# Altium PCB PCB_Kasli.PCBDOC (part 3 of 14) (continued)
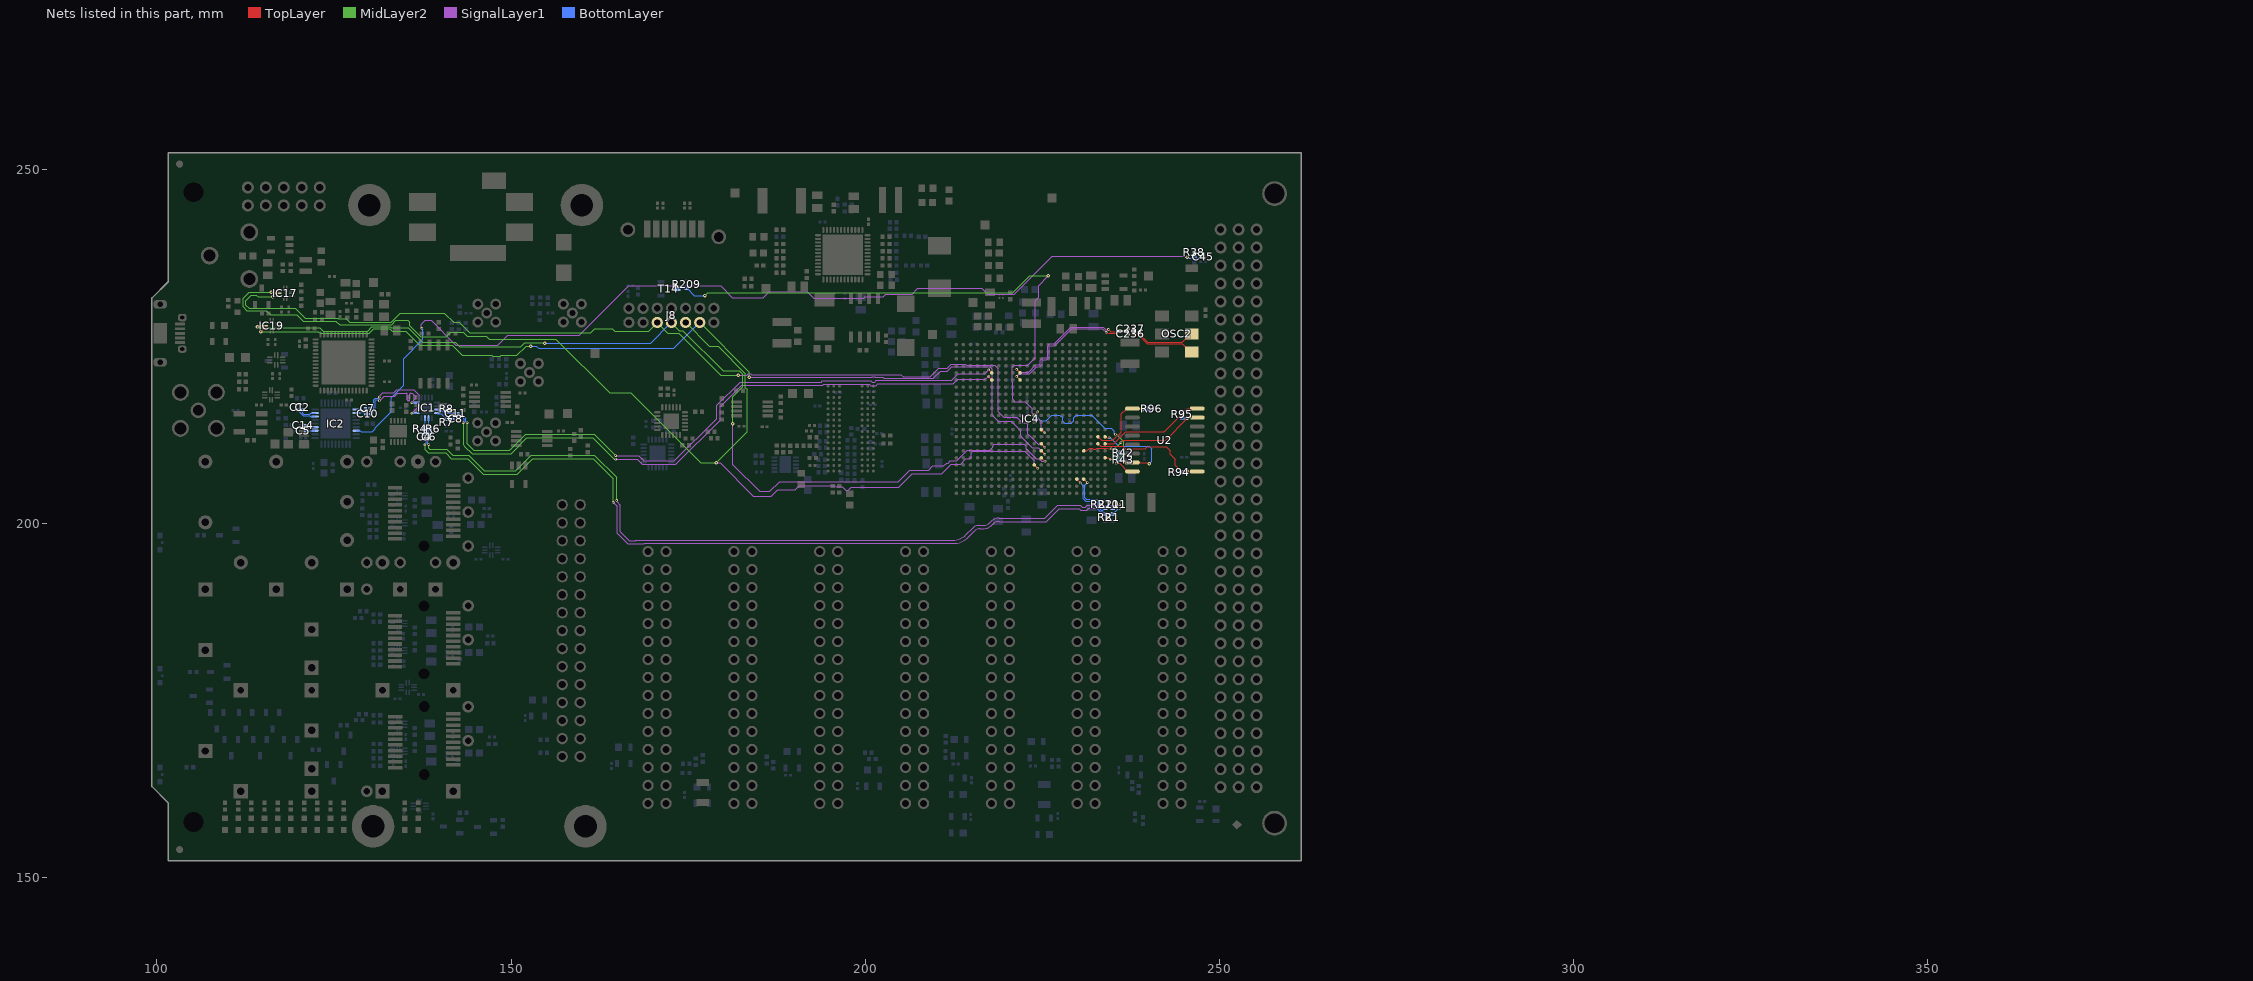
[diagram p7: the nets of this part, all layers, seen from the top]
## Part data (continued)
C230: library part CC0402_2.2NF_50V_10%_X7R, "Non-polarised capacitor", Case=0402, Manufacturer=GENERIC, Manufacturer1 ComponentHeight=0.55mm, Manufacturer1 Example=PHYCOMP, Manufacturer1 Part Number=223858715627, Tolerance=±10%, Voltage=50V, Author="CERN DEM JLC", Component Type=Standard, CreateDate=03.12.2007, HelpURL=\\cern.ch\dfs\Applications\Altium\Datasheets\CC0402_X7R_PHYCOMP.pdf, LatestRevisionDate=03.12.2007, Manufacturer Part Number=CC0402_2.2NF_50V_10%_X7R, Mounted=Yes, Part Description="SMD Multilayer Chip Ceramic Capacitor", Part Number=CC0402_2.2NF_50V_10%_X7R, Pin Count=2, Sense=No, SMD=Yes, Socket=No, Status="Not Recommended", TC=X7R
Cage1: library part TYCO_2007263-1, "SFP 1x2 Cage (25Pins)", Manufacturer="TYCO ELECTRONICS", Manufacturer Part Number=2007263-1, Author="CERN DEM JLC", ClassName=Connectors, ComponentHeight=9.7mm, Component Type=Standard, CreateDate=18.01.2017, Family=SFP+, HelpURL=\\cern.ch\dfs\Applications\Altium\Datasheets\TYCO_2007263-1.pdf, LatestRevisionDate=18.01.2017, Mounted=Yes, Part Description="1x2 Press Fit SFP+ Cage with EMI Springs", Part Number=TYCO_2007263-1, Pin Count=25, PressFit=Yes, Sense=No, SMD=No, Socket=No, Status=None
Cage2: library part TYCO_2007198-1, "SFP+ 1x1 Cage (20Pins)", Manufacturer="TYCO ELECTRONICS", Manufacturer Part Number=2007198-1, Author="CERN DEM JLC", ClassName=Connectors, ComponentHeight=9.7mm, Component Type=Standard, CreateDate=04.06.2013, Family=SFP+, HelpURL=\\cern.ch\dfs\Applications\Altium\Datasheets\TYCO_2007198-1.pdf, LatestRevisionDate=12.06.2013, Mounted=Yes, Part Description="1x1 Press Fit Cage For Use with SFP+ Connector (Small Form-factor Pluggable)", Part Number=TYCO_2007198-1, Pin Count=20, PressFit=Yes, Sense=No, SMD=No, Socket=No, Status=None
D1: "Zener Diode", Case=DO-214AA, Manufacturer="FAIRCHILD SEMICONDUCTOR", Power=600W, Voltage=12V, Author="CERN DEM JLC", Bonding=No, ComponentHeight=2.65mm, Component Type=Standard, CreateDate=10.04.2013, Device=SMBJ12A, HelpURL=\\cern.ch\dfs\Applications\Altium\Datasheets\SMBJ.pdf, LatestRevisionDate=10.04.2013, Manufacturer Part Number=SMBJ12A, Mounted=Yes, PackageDescription="DO-214-AA/SMB Diode, Molded Body; 5.34mm L X 3.625mm W X 2.65mm H, IPC Medium Density", Part Description="Uni-Directional Transient Voltage Suppressor Diode", Part Number=SMBJ12A, Pin Count=2, PressFit=No, Sense=No, SMD=Yes, Socket=No
D2 D3 D4 D5 D6 D7 D8 D9 D10 D11 D12 D13 D14: "Ultra Low Capacitance Double Rail-to-Rail ESD Protection Diode", Case=SOT143B, Manufacturer="NXP SEMICONDUCTORS", Voltage=5.5V, Author="CERN DEM JLC", Bonding=No, ComponentHeight=1.1mm, Component Type=Standard, CreateDate=22.03.2011, Device=PRTR5V0U2X, HelpURL=\\cern.ch\dfs\Applications\Altium\Datasheets\PRTR5V0U2X.pdf, LatestRevisionDate=22.03.2011, Manufacturer Part Number=PRTR5V0U2X, Mounted=Yes, PackageDescription="SOT143B, SOT, 1.90mm Pitch; 4 Pin, 1.30mm W X 2.90mm L X 1.10mm H body, IPC Medium Density", Part Description="Ultra Low Capacitance (1pF) Double Rail-to-Rail ESD Protection Diode (8kV)", Part Number=PRTR5V0U2X, Pin Count=4, PressFit=No, Sense=No, SMD=Yes, Socket=No
F1 F2 F3: library part FUSR_LITTELFUSE_1206L012, "Fuse", Manufacturer=LITTELFUSE, Manufacturer Part Number=1206L012WR, Author="CERN DEM JLC", ComponentHeight=1.45mm, Component Type=Standard, CreateDate=19.12.2011, Family="Fuses Resettable", HelpURL=\\cern.ch\dfs\Applications\Altium\Datasheets\FUSR_LITTELFUSE_1206L012.pdf, LatestRevisionDate=19.12.2011, Mounted=Yes, PackageDescription="Surface Mount POLY-FUSE® Resettable PTC, 1206L Series", Part Description="POLYFUSE® Surface Mount Resettable PTC", Part Number=FUSR_LITTELFUSE_1206L012, Pin Count=2, PressFit=No, Sense=No, SMD=Yes, Socket=No
FL1: library part FIL_MURATA_BNX022-01L, "Block Type EMIFIL (LC Combined)", Manufacturer=MURATA, Manufacturer Part Number=BNX022-01L, Resistance=0.5R, Author="CERN DEM JLC", ComponentHeight=3.3mm, Component Type=Standard, CreateDate=10.10.2012, HelpURL=\\cern.ch\dfs\Applications\Altium\Datasheets\FIL_MURATA_BNX022-01L.pdf, LatestRevisionDate=10.10.2012, Mounted=Yes, Part Description="Block Type EMIFIL (LC Combined) SMD Type, BNX02* Series", Part Number=FIL_MURATA_BNX022-01L, Pin Count=2, Sense=No, SMD=Yes, Socket=No, Status=None
FTG1 FTG3 FTG4 FTG5: library part FIDUCIAL_TARGET_C100-200, "Fiducial Target", Author="CERN DEM JLC", ComponentHeight=0mm, Component Type="Standard (No BOM)", CreateDate=09.02.2010, Family=Fiducial, HelpURL=Undefined, LatestRevisionDate=04.04.2012, Mounted=No, PackageDescription="Round Fiducial Target, Top Layer, 1.0mm, Top Solder 2.0mm, Keepout =2.0mm", Part Description="Round Fiducial Target, Top Layer, 1.0mm, Top Solder 2.0mm, Keepout =2.0mm", Part Number=FIDUCIAL_TARGET_C100-200, Pin Count=1, Sense=No, SMD=Yes, Socket=No, Status=None
FTG2 FTG6: library part FIDUCIAL_TARGET_S100-200, "Fiducial Target", Author="CERN DEM JLC", ComponentHeight=0mm, Component Type="Standard (No BOM)", CreateDate=09.02.2010, Family=Fiducial, HelpURL=Undefined, LatestRevisionDate=04.04.2012, Mounted=No, PackageDescription="Square Fiducial Target, Top Layer, 1.0mm, Top Solder 2.0mm, Keepout =2.0mm", Part Description="Square Fiducial Target, Top Layer, 1.0mm, Top Solder 2.0mm, Keepout =2.0mm", Part Number=FIDUCIAL_TARGET_S100-200, Pin Count=1, Sense=No, SMD=Yes, Socket=No, Status=None
HS1: "Heat Sink Without Pad", Manufacturer="Fischer Elektronik", Manufacturer Part Number="ICK BGA 23 x 23 x 10", ComponentHeight="10 mm", HelpURL=http://www.fischerelektronik.de/web_fischer/en_GB/heatsinks/B02/Heatsinks%20for%20BGAs/PR/ICKBGA23x23x10_/$productCard/parameters/datasheet.xhtml, Part Description="23 x 23 x 10 mm, heatsink for IC design BGA and others"
IC1: "2.5V/3.3V, Four LVPECL Outputs, SiGe Clock Fanout Buffer", Case=QFN16, Manufacturer="ANALOG DEVICES", Author="CERN DEM JLC", Bonding=No, ComponentHeight=0.8mm, Component Type=Standard, CreateDate=17.07.2014, Device=ADCLK944BCPZ, HelpURL=\\cern.ch\dfs\Applications\Altium\Datasheets\ADCLK944BCPZ.pdf, LatestRevisionDate=17.07.2014, Manufacturer Part Number=ADCLK944BCPZ, Mounted=Yes, PackageDescription="QFN, 0.50mm Pitch, Square; 4 Pin X 4 Pin, 3mm X 3mm X 0.80mm H Body (w/Thermal tab 1.60 X 1.60mm),  IPC Medium Density", Part Description="2.5V/3.3V, Four LVPECL Outputs, SiGe Clock Fanout Buffer", Part Number=ADCLK944BCPZ, Pin Count=17, PressFit=No, Sense=No, SMD=Yes, Socket=No
IC2: "Any Frequency Precision Clock Multiplier/Jitter Attenuator", Case=QFN36, Manufacturer="SILICON LABS", Author="CERN DEM JLC", Bonding=No, ComponentHeight=0.9mm, Component Type=Standard, CreateDate=19.08.2013, Device=Si5324C-C-GM, HelpURL=\\cern.ch\dfs\Applications\Altium\Datasheets\Si5324C-C-GM.pdf, LatestRevisionDate=19.08.2013, Manufacturer Part Number=Si5324C-C-GM, Mounted=Yes, PackageDescription="QFN, 0.50mm Pitch, Square; 36 Pin, 6.00mm L X 6.00mm W X 0.90mm H Body (w/thermal tab 4.25m x 4.25mm), IPC Medium Density", Part Description="Any Frequency Precision Clock Multiplier/Jitter Attenuator", Part Number=Si5324C-C-GM, Pin Count=37, PressFit=No, Sense=No, SMD=Yes, Socket=No
IC3: "20V, 500mA, Ultralow Noise, Ultrahigh PSRR Linear Regulator", Case=SON10, Manufacturer="LINEAR TECHNOLOGY", Author="CERN DEM JLC", Bonding=No, ComponentHeight=0.8mm, Component Type=Standard, CreateDate=07.12.2016, Device=LT3045EDD#PBF, HelpURL=\\cern.ch\dfs\Applications\Altium\Datasheets\LT3045EDD#PBF.pdf, LatestRevisionDate=07.12.2016, Manufacturer Part Number=LT3045EDD#PBF, Mounted=Yes, PackageDescription="SON, 0.50mm Pitch, 10-pin, 3.00mm W  X 3.00mm L X 0.80mm Height, (w/thermal tab 1.75 X 2.48 mm), IPC Medium Density", Part Description="20V, 500mA, Ultralow Noise, Ultrahigh PSRR Linear Regulator", Part Number=LT3045EDD#PBF, Pin Count=11, PressFit=No, Sense=No, SMD=Yes, Socket=No
IC4: library part CMP-0364-00026-3, "Artix-7 FPGA, 285 User I/Os, 4 GTP, 484-Ball BGA, Speed Grade 2, Commercial Grade, Pb-Free", Generic Part Number=XC7A100T, Manufacturer=Xilinx, Block RAM Blocks (18Kb)=270, Block RAM Blocks (36Kb)=135, Block RAM Blocks (Max Kb)=4860, ClassName=Artix, CLBs (Max Distributed RAM Kb)=1188, CLBs (Slices)=15850, Clock Mgmt Tiles (CMTs)=6, Code_JEDEC=MS-034-AAJ-1, ComponentLink1Description=Datasheet, ComponentLink1URL=http://www.xilinx.com/support/documentation/data_sheets/ds180_7Series_Overview.pdf, ComponentLink2Description="Package Specification", ComponentLink2URL=http://www.xilinx.com/support/documentation/user_guides/ug475_7Series_Pkg_Pinout.pdf, ComponentLink3Description="DC and Switching Characteristics", ComponentLink3URL=http://www.xilinx.com/support/documentation/data_sheets/ds181_Artix_7_Data_Sheet.pdf, ComponentLink4Description="Package File", ComponentLink4URL=http://www.xilinx.com/support/packagefiles/a7packages/xc7a100tfgg484pkg.txt, ComponentLink5Description="Packaging and Pinout", ComponentLink5URL=http://www.xilinx.com/support/documentation/user_guides/ug475_7Series_Pkg_Pinout.pdf, DatasheetVersion=v1.12, DSP48E1 Slices=240, Logic Cells=101440, Max User I/O=300, Mounting Technology="Surface Mount", NexusDeviceID=XC7A100T-2FGG484C, PackageDescription="Wire-Bond Fine-Pitch BGA, Body 23 x 23 mm, 1.0 mm Pitch", PackageReference=FGG484, PackageVersion="Rev 1.8", PartNumber=XC7A100T-2FGG484C, RoHS=Pb-Free, Speed Grade=-2
IC5: "1.7V-5.5V, 2K I2C Serial EEPROM With EUI-48 Node Identity", Case=SOT23-5, Manufacturer="MICROCHIP TECHNOLOGY", Author="CERN DEM MR", Bonding=No, ComponentHeight=1.45mm, Component Type=Standard, CreateDate=2016-03-31, Device=24AA02E48T-I/OT, HelpURL=\\cern.ch\dfs\Applications\Altium\Datasheets\24AA02E48T-I-OT.pdf, LatestRevisionDate=2016-03-31, Manufacturer Part Number=24AA02E48T-I/OT, Mounted=Yes, PackageDescription="SOT, 0.95mm pitch; 5 pin, 1.60mm W X 2.90mm L X 1.45mm H body, IPC Medium Density", Part Description="1.7V-5.5V, 2K I2C Serial EEPROM With EUI-48 Node Identity", Part Number=24AA02E48T-I/OT, Pin Count=5, PressFit=No, Sense=No, SMD=Yes, Socket=No
IC6: "5-Channel Integrated Power Solution with Quad buck Regulators and 200mA LDO Regulator", Case=QFN48, Manufacturer="ANALOG DEVICES", Author="CERN DEM BC", Bonding=No, ComponentHeight=0.8mm, Component Type=Standard, CreateDate=2015-07-30, Device=ADP5052ACPZ, HelpURL=\\cern.ch\dfs\Applications\Altium\Datasheets\ADP5052ACPZ.pdf, LatestRevisionDate=2015-07-30, Manufacturer Part Number=ADP5052ACPZ, Mounted=Yes, PackageDescription="QFN, 0.50mm pitch,square; 12 pin X 12 pin, 7mm X 7mm X 0.8mm H body (w/thermal tab 5.70 X 5.70mm),  IPC Medium Density", Part Description="5-Channel Integrated Power Solution with Quad buck Regulators and 200mA LDO Regulator", Part Number=ADP5052ACPZ, Pin Count=49, PressFit=No, Sense=No, SMD=Yes, Socket=No
IC7 IC13 IC22: "Level-Translating I2C Bus Repeater", Case=TSSOP8, Manufacturer="TEXAS INSTRUMENTS", Author="CERN DEM JLC", Bonding=No, ComponentHeight=1.1mm, Component Type=Standard, CreateDate=07.07.2014, Device=TCA9517DGKR, HelpURL=\\cern.ch\dfs\Applications\Altium\Datasheets\TCA9517DGKR.pdf, LatestRevisionDate=07.07.2014, Manufacturer Part Number=TCA9517DGKR, Mounted=Yes, PackageDescription="SOP, 0.65mm, Pitch; 8 Pin, 3.0mm W X 3.0mm L X 1.10mm H Body, IPC Medium Density", Part Description="Level-Translating I2C Bus Repeater", Part Number=TCA9517DGKR, Pin Count=8, PressFit=No, Sense=No, SMD=Yes, Socket=No
IC8: "32 Meg x 16 x 8 Banks DDR3L SDRAM", Case=BGA96, Manufacturer="MICRON TECHNOLOGY", Author="CERN DEM MR", Bonding=No, ComponentHeight=1.2mm, Component Type=Standard, CreateDate=2015-12-14, Device=MT41K256M16TW-107:P, HelpURL=\\cern.ch\dfs\Applications\Altium\Datasheets\MT41K256M16TW-107-P.pdf, LatestRevisionDate=2015-12-14, Manufacturer Part Number=MT41K256M16TW-107:P, Mounted=Yes, PackageDescription="BGA 0.8mm, Pitch, Square 96 Pin, 9 Columns x 16 Rows, Body 14mm X 8mm X 1.2mm H", Part Description="+1.5V, 4Gb (32Meg x 16 x 8 banks) DDR3L SDRAM", Part Number=MT41K256M16TW-107:P, Pin Count=96, PressFit=No, Sense=No, SMD=Yes, Socket=No
IC9: "Sink/Source DDR Termination Regulator", Case=SON10, Manufacturer="TEXAS INSTRUMENTS", Author="CERN DEM JLC", Bonding=No, ComponentHeight=1mm, Component Type=Standard, CreateDate=03.02.2010, Device=TPS51200DRCT, HelpURL=\\cern.ch\dfs\Applications\Altium\Datasheets\TPS51200DRCT.pdf, LatestRevisionDate=06.11.2013, Manufacturer Part Number=TPS51200DRCT, Mounted=Yes, PackageDescription="SON, 0.50mm Pitch, 10-pin, 3.00mm W  X 3.00mm L X 1.00mm Height, (w/thermal tab 1.75 X 2.50 mm)", Part Description="3.3V Sink/Source DDR Termination Regulator", Part Number=TPS51200DRCT, Pin Count=11, PressFit=No, Sense=No, SMD=Yes, Socket=No
IC10 IC11A IC11B IC11C IC12A IC12B IC12C IC13A IC13B IC13C IC17 IC19 IC20: "Dual-Bit Dual-Supply Bus Transceiver With Configurable Voltage Translation and 3-State Outputs", Case=QFN10, Manufacturer="TEXAS INSTRUMENTS", Author="CERN DEM JLC", Bonding=No, ComponentHeight=0.55mm, Component Type=Standard, CreateDate=07.07.2014, Device=SN74AVC2T245RSWR, HelpURL=\\cern.ch\dfs\Applications\Altium\Datasheets\SN74AVC2T245RSWR.pdf, LatestRevisionDate=30.03.2017, Manufacturer Part Number=SN74AVC2T245RSWR, Mounted=Yes, PackageDescription="QFN, 0.40mm Pitch, Rect.;10 Pin, 1.80mm L X 1.40mm W X 0.55mm H Body, IPC Medium Density", Part Description="Dual-Bit Dual-Supply Bus Transceiver With Configurable Voltage Translation and 3-State Outputs", Part Number=SN74AVC2T245RSWR, Pin Count=10, PressFit=No, Sense=No, SMD=Yes, Socket=No, Status="Not Recommended"
IC14 IC15: "Low Voltage 8-Channel I2C Switch With Reset", Case=QFN24, Manufacturer="TEXAS INSTRUMENTS", Author="CERN DEM JLC", Bonding=No, ComponentHeight=1mm, Component Type=Standard, CreateDate=07.07.2014, Device=TCA9548ARGER, HelpURL=\\cern.ch\dfs\Applications\Altium\Datasheets\TCA9548ARGER.pdf, LatestRevisionDate=07.07.2014, Manufacturer Part Number=TCA9548ARGER, Mounted=Yes, PackageDescription="QFN, 0.50mm Pitch, Square; 24 Pin, 4.00mm L X 4.00mm W X 1.00mm H body (w/thermal tab 2.2 X 2.2mm), IPC Medium Density", Part Description="Low Voltage 8-Channel I2C Switch With Reset", Part Number=TCA9548ARGER, Pin Count=25, PressFit=No, Sense=No, SMD=Yes, Socket=No
IC16 IC23: "1.5A High Efficiency Step-Down Converter, Adjustable Output Voltage", Case=SOT23-5, Manufacturer="TEXAS INSTRUMENTS", Author="CERN DEM JMW", Bonding=No, ComponentHeight=1.45mm, Component Type=Standard, CreateDate=29.08.2016, Device=TLV62565DBVT, HelpURL=\\cern.ch\dfs\Applications\Altium\Datasheets\TLV62565DBVT.pdf, LatestRevisionDate=29.08.2016, Manufacturer Part Number=TLV62565DBVT, Mounted=Yes, PackageDescription="SOT, 0.95mm Pitch; 5 Pin, 1.60mm W X 2.90mm L X 1.45mm H Body, IPC Medium Density", Part Description="1.5A High Efficiency Step-Down Converter, Adjustable Output Voltage", Part Number=TLV62565DBVT, Pin Count=5, PressFit=No, Sense=No, SMD=Yes, Socket=No
IC18: "Quad High Speed USB to Multipurpose UART/MPSSE IC", Case=QFN56, Manufacturer="FUTURE TECHNOLOGY DEVICES INTERNATIONAL (FTDI)", Author="CERN DEM JLC", Bonding=No, ComponentHeight=1mm, Component Type=Standard, CreateDate=11.10.2016, Device=FT4232H-56Q, HelpURL=\\cern.ch\dfs\Applications\Altium\Datasheets\FT4232H-56Q.pdf, LatestRevisionDate=11.10.2016, Manufacturer Part Number=FT4232H-56Q, Mounted=Yes, PackageDescription="QFN, 0.50mm Pitch, Square; 56 Pin, 8.00mm L X 8.00mm W X 1.00mm H body (6.1mm X 6.1mm Thermal tab), IPC Medium Density", Part Description="Quad High Speed USB to Multipurpose UART/MPSSE IC", Part Number=FT4232H-56Q, Pin Count=57, PressFit=No, Sense=No, SMD=Yes, Socket=No
IC21: "2.5 to 5.5 V, 1Kb (128x8) Serial Microwire Bus EEPROM", Case=SOIC8, Manufacturer="ST MICROELECTRONICS", Author="CERN DEM JLC", Bonding=No, ComponentHeight=1.75mm, Component Type=Standard, CreateDate=15.11.2012, Device=M93C46-WMN6TP, HelpURL=\\cern.ch\dfs\Applications\Altium\Datasheets\M93C46-WMN6TP.pdf, LatestRevisionDate=15.11.2012, Manufacturer Part Number=M93C46-WMN6TP, Mounted=Yes, PackageDescription="SOIC 8, Pitch 1.27mm - Body 4x5mm, IPC Medium Density", Part Description="1Kbit (128 x 8 bit or 64 x 16 bit) MICROWIRE® Serial Access EEPROM", Part Number=M93C46-WMN6TP, Pin Count=8, PressFit=No, Sense=No, SMD=Yes, Socket=No
J1 J2 J3 J4: library part SAMTEC_MMCX-J-P-H-ST-TH1, Manufacturer=SAMTEC, Author="CERN DEM JLC", ComponentHeight=4.35mm, Component Type=Standard, CreateDate=05.12.2012, HelpURL=\\cern.ch\dfs\Applications\Altium\Datasheets\SAMTEC_MMCX-J-P-H-ST-TH1.pdf, LatestRevisionDate=05.12.2012, Manufacturer Part Number=MMCX-J-P-H-ST-TH1, Mounted=Yes, Part Description="Straight Through-hole 50 Ohm Micro Mini RF Jack, MMCX Series", Part Number=SAMTEC_MMCX-J-P-H-ST-TH1, Pin Count=2, PressFit=No, Sense=No, SMD=No, Socket=No, Status=None
J8: library part MOLEX_87831-1420, "Connector 14 Male", Manufacturer=MOLEX, Manufacturer Part Number=87831-1420, Author="CERN DEM JLC", ClassName=FPGA_JTAG, ComponentHeight=6.4mm, Component Type=Standard, CreateDate=2010-04-13, Family=Milli-Grid™, HelpURL=\\cern.ch\dfs\Applications\Altium\Datasheets\MOLEX_87831-1420.pdf, LatestRevisionDate=2010-04-13, Mounted=Yes, Part Description="2.00mm (.079\") Pitch Milli-Grid™ Header, Vertical, Shrouded, Center Polarization Slot, Locking Window, 14 Circuits", Part Number=MOLEX_87831-1420, Pin Count=14, PressFit=No, Sense=No, SMD=No, Socket=No, Status=None
J9 J10 J11 J12 J13 J14 J15 J16: library part 3M_N2530-6002RB, "Connector 30 Male", Manufacturer=3M, Manufacturer Part Number=N2530-6002RB, Author="CERN DEM JLC", ComponentHeight=10.03mm, Component Type=Standard, CreateDate=11.02.2009, Family="Header 30", HelpURL=\\cern.ch\dfs\Applications\Altium\Datasheets\3M_N2530-6002RB.pdf, LatestRevisionDate=11.08.2009, Mounted=Yes, Part Description="30 Contacts - Straight .100'' x .100'' Low Profile Four-Wall Header, 2500 Series", Part Number=3M_N2530-6002RB, Pin Count=30, PressFit=No, Sense=No, SMD=No, Socket=No, Status=None
J18: library part AMPHENOL_132203, Manufacturer=AMPHENOL, Manufacturer Part Number=132203, Author="CERN DEM MR", ClassName=Connectors, ComponentHeight=10.44mm, Component Type=Standard, CreateDate=2016-10-06, Family=SMA, HelpURL=\\cern.ch\dfs\Applications\Altium\Datasheets\AMPHENOL_132203.pdf, LatestRevisionDate=2016-10-06, Mounted=Yes, Part Description="50 Ohm Through Hole SMA Right Angle PCB Jack", Part Number=AMPHENOL_132203, Pin Count=5, PressFit=No, Sense=No, SMD=No, Socket=No, Status=None
J20: library part "HARTING_09 03 196 2921", "Connector 96abc male (3x32)", Manufacturer=HARTING, Manufacturer Part Number="09 03 196 2921", Author="CERN DEM JLC", ClassName=Connectors, ComponentHeight=11mm, Component Type=Standard, CreateDate=16.04.2008, Family="DIN 41612 Type C", HelpURL="\\cern.ch\dfs\Applications\Altium\Datasheets\HARTING_09 03 196 2921.pdf", LatestRevisionDate=25.02.2013, Mounted=Yes, Part Description="DIN 41612, Type C, 96 Position, Rows a+b+c, Performance level 1, Right Angle Male Connector, Lead 3.0 mm, Pitch 2.54mm", Part Number="HARTING_09 03 196 2921", Pin Count=98, PressFit=No, Sense=No, SMD=No, Socket=No, Status=None
J21A J21B J21C: library part TYCO_1367073-1, "20 Position SFP  Connector (Small Form-factor Pluggable)", Manufacturer="TYCO ELECTRONICS", Manufacturer Part Number=1367073-1, Author="CERN DEM JLC", ComponentHeight=5.4mm, ComponentLink1Description=Application, ComponentLink1URL=\\cern.ch\dfs\Applications\Altium\Datasheets\TYCO_SFP_Application.pdf, ComponentLink2Description="SFP Specification", ComponentLink2URL=\\cern.ch\dfs\Applications\Altium\Datasheets\Tyco_SFP_Specification.pdf, Component Type=Standard, CreateDate=25.01.2010, Family=SFP, HelpURL=\\cern.ch\dfs\Applications\Altium\Datasheets\TYCO_1367073-1.pdf, LatestRevisionDate=25.01.2010, Mounted=Yes, Part Description="20 Position, Pitch 0.8mm SFP Receptacle (Small Form-factor Pluggable)", Part Number=TYCO_1367073-1, Pin Count=20, PressFit=No, Sense=No, SMD=Yes, Socket=No, Status=None
J22: library part MOLEX_67800-5005, "7 Pin SATA Receptacle", Manufacturer=MOLEX, Manufacturer Part Number=67800-5005, Author="CERN DEM MR", ClassName=SATA, ComponentHeight=8.4mm, Component Type=Standard, CreateDate=01.12.2016, Family=SATA, HelpURL=\\cern.ch\dfs\Applications\Altium\Datasheets\MOLEX_67800-5005.pdf, LatestRevisionDate=01.12.2016, Mounted=Yes, Part Description="1.27mm Pitch, 7 Contacts, Serial ATA High Speed Header, Straight with Locking Latch", Part Number=MOLEX_67800-5005, Pin Count=7, PressFit=No, Sense=No, SMD=Yes, Socket=No, Status=None
J23: library part HIROSE_ZX62RD-AB-5P8, "5 Pin + 1 Shield USB Receptacle", Manufacturer="HIROSE (HRS)", Manufacturer Part Number=ZX62RD-AB-5P8, Author="CERN DEM JLC", ClassName=Connectors, ComponentHeight=2.35mm, ComponentLink1Description=Package-Drawing, ComponentLink1URL=\\cern.ch\dfs\Applications\Altium\Datasheets\HIROSE_ZX62RD-AB-5P8_Package-Drawing.pdf, Component Type=Standard, CreateDate=29.10.2014, Family="Micro-USB AB 2.0", HelpURL=\\cern.ch\dfs\Applications\Altium\Datasheets\HIROSE_ZX62RD-AB-5P8.pdf, LatestRevisionDate=29.10.2014, Mounted=Yes, Part Description="Micro-USB 2.0 Right Angle, SMD Type AB - Reverse (Top mount), Shell Through Hole", Part Number=HIROSE_ZX62RD-AB-5P8, Pin Count=7, PressFit=No, Sense=No, SMD=Yes, Socket=No, Status=None
J24: library part SAMTEC_TSW-105-07-L-D-LL, "Connector 10 Male", Manufacturer=SAMTEC, Manufacturer Part Number=TSW-105-07-L-D-LL, Author="CERN DEM JLC", ComponentHeight=8.38mm, Component Type=Standard, CreateDate=2012-01-23, Family="Header 10", HelpURL=\\cern.ch\dfs\Applications\Altium\Datasheets\SAMTEC_TSW-105-07-L-D-LL.pdf, LatestRevisionDate=2012-07-26, Mounted=Yes, Part Description="10 Contacts, Pitch 2.54mm, Dual Row Through Mount  Straight Header With Locking Lead (Lead Length 2.54mm)", Part Number=SAMTEC_TSW-105-07-L-D-LL, Pin Count=10, PressFit=No, Sense=No, SMD=No, Socket=No, Status=None
J25: "24V /3. 5A, 2.1mm Diameter Pin, SMD DC Power Supply Connector With  Break Contact", Manufacturer=SWITCHCRAFT, Manufacturer Part Number=712RA, Part Number=SWITCHCRAFT_712RA, Author=GK, ClassName=Connectors, ComponentHeight=11mm, Component Type=Standard, CreateDate=15.02.2011, Family=Jack, HelpURL=\\cern.ch\dfs\Applications\Altium\Datasheets\LUMBERG_161314.pdf, LatestRevisionDate=20.07.2011, Mounted=Yes, Part Description="12V/5A, 2.5mm Diameter Pin, THT DC Power Supply Connector With  Break Contact", Pin Count=3, PressFit=No, Sense=No, SMD=No, Socket=No, Status=None
L1 L2 L3 L4 L5 L7 L9 L11 L12 L13 L15 L17 L18 L19 L20A L20B L20C L21A L21B L21C L22 L24 L25 L26 L27 L28: library part IND0603_MURATA_BLM18SG121TN1D, "Inductor", Case=0603, Manufacturer=MURATA, Manufacturer Part Number=BLM18SG121TN1D, Power=3A, Resistance=0.025R, Tolerance=±25%, Author="CERN DEM JLC", ComponentHeight=0.65mm, Component Type=Standard, CreateDate=23.07.2014, HelpURL=\\cern.ch\dfs\Applications\Altium\Datasheets\IND0603_MURATA_BLM18S.pdf, LatestRevisionDate=23.07.2014, Mounted=Yes, Part Description="SMD EMIFIL Suppression Chip Ferrite Bead", Part Number=IND0603_MURATA_BLM18SG121TN1D, Pin Count=2, Sense=No, SMD=Yes, Socket=No, Status=None
  L4 L5: ClassName=Artix
L6: library part CMP-2000-06180-1, "High Power Density, High Efficiency, Shielded Inductor, 4.7 uH, -40 to 125 degC, RoHS, Tape and Reel", Current - Saturation=4.37A, Current Rating=3.34A, DC Resistance (DCR)=25.4mOhm, Frequency - Self Resonant=-, Frequency - Test=100kHz, Inductance=4.7µH, Manufacturer=Eaton, Operating Temperature=-40°C~125°C, Package / Case=Nonstandard, Package Description="2-Pin Surface Mount Device, Body 7.6 x 7.6 mm", Tolerance=±20%, Category=Inductors,Coils,Chokes, Datasheet URL=https://datasheet.ciiva.com/14667/0900766b8116a153-14667792.pdf, Datasheet Version=12/2012, Family=FixedInductors, Height - Seated (Max)="0.171\"(4.35mm)", Manufacturer URL=http://www.cooperindustries.com/content/public/en/bussmann/electronics.html, Material - Core=Ferrite, Mounting Technology=SurfaceMount, Mounting Type=SurfaceMount, Package Reference=DR74-4R7-R, Packaging=Tape&amp;Reel(TR), Q @ Freq=-, Ratings=-, Series=DR, Shielding=Shielded, Size / Dimension="0.299\"Lx0.299\"W(7.60mmx7.60mm)", Type=Wirewound
L8: library part IND_6.8UH_20%_COILCRAFT_XAL4030, "Inductor With Core", Manufacturer=COILCRAFT, Manufacturer Part Number=XAL4030-682MEB, Power=3A, Resistance=0.0741R, Tolerance=±20%, Author="CERN DEM MR", ComponentHeight=2.1mm, Component Type=Standard, CreateDate=14.03.2016, HelpURL=\\cern.ch\dfs\Applications\Altium\Datasheets\IND_COILCRAFT_XAL4030.pdf, LatestRevisionDate=14.03.2016, Mounted=Yes, Part Description="SMD Shielded Power Inductor", Part Number=IND_6.8UH_20%_COILCRAFT_XAL4030, Pin Count=2, Sense=No, SMD=Yes, Socket=No, Status=None
L10 L23: library part IND_2.2UH_20%_WURTH_WE-PMCI_74479276222C, "Inductor", Case=0806, Manufacturer="WURTH ELEKTRONIK", Manufacturer Part Number=74479276222C, Power=1.1A, Resistance=0.112R, Tolerance=±20%, Author="CERN DEM JLC", ComponentHeight=1mm, Component Type=Standard, CreateDate=20.10.2016, HelpURL=\\cern.ch\dfs\Applications\Altium\Datasheets\IND_WURTH_WE-PMCI_74479276222C.pdf, LatestRevisionDate=20.10.2016, Mounted=Yes, Part Description="SMD Power Molded Chip  Inductor (WE-PMCI Series)", Part Number=IND_2.2UH_20%_WURTH_WE-PMCI_74479276222C, Pin Count=2, Sense=No, SMD=Yes, Socket=No, Status=None
L14: library part IHLP2020BZER3R3M11, "Inductor With Core", Manufacturer=Vishay, Power="4.1 A", Series Resistance="57.8 mOhm", Tolerance=20%, HelpURL=http://datasheet.octopart.com/IHLP2020BZER3R3M11-Vishay-datasheet-68298978.pdf, Part Number=IHLP2020BZER3R3M11, Supplier 1=Farnell
L16: library part IND_3.3UH_20%_WURTH_WE-PD3_74451033, "Inductor With Core", Manufacturer="WURTH ELEKTRONIK", Manufacturer Part Number=74451033, Power=1.6A, Resistance=0.025R, Tolerance=±20%, Author="CERN DEM JLC", ComponentHeight=2.92mm, Component Type=Standard, CreateDate=11.05.2010, HelpURL=\\cern.ch\dfs\Applications\Altium\Datasheets\IND_WURTH_WE-PD3_74451033.pdf, LatestRevisionDate=15.09.2014, Mounted=Yes, Part Description="Shielded Power Inductor (WE-PD 3 Series)", Part Number=IND_3.3UH_20%_WURTH_WE-PD3_74451033, Pin Count=2, Sense=No, SMD=Yes, Socket=No, Status=None
LD1 LD2 LD3 LD4 LD5 LD6 LD7 LD8 LD9 LD10 LD12 LD13 LD14: library part KINGBRIGHT_KPTR-3216CGCK, "LED Green 1A 2C", Manufacturer Part Number=KPH-1608CGCK, Package Description="SMT Green LED, Case 0603, Body L 1.6 x W 0.8mm H 0.65mm", ComponentHeight=0.65mm, HelpURL=http://datasheet.octopart.com/KPH-1608CGCK-Kingbright-datasheet-62316526.pdf
LD11A LD11B LD11C: library part LED_AVAGO_HSME-C120, "LED Green 1C 2A", Manufacturer="AVAGO TECHNOLOGIES", Manufacturer Part Number=HSME-C120, Author="CERN DEM JMW", Bonding=No, Color=Green, ComponentHeight=0.7mm, ComponentLink1Description="Design Guide", ComponentLink1URL=\\cern.ch\dfs\Applications\Altium\Datasheets\LED_AVAGO_HSME-C110_DESIGN-GUIDE.pdf, Component Type=Standard, CreateDate=22.07.2009, HelpURL=\\cern.ch\dfs\Applications\Altium\Datasheets\LED_AVAGO_HSME-C120.pdf, LatestRevisionDate=20.06.2012, Mounted=Yes, PackageDescription="Green Chip LED, 2-Leads, Body 1.7x1.1mm, Side Emitting Package", Part Description="High Performance Right Angle Chip Green LED", Part Number=LED_AVAGO_HSME-C120, Pin Count=2, PressFit=No, Sense=No, SMD=Yes, Socket=No
OSC2: library part OSC_125MHZ_SILICON-LAB_510FBA125M000AAG, "Crystal Oscillator 6 pins, Si510 (LVDS/LVPECL/HCSL/Dual CMOS)", Manufacturer="SILICON LABS", Manufacturer Part Number=510FBA125M000AAG, Author="CERN DEM JMW", Bonding=No, ComponentHeight=1.8mm, Component Type=Standard, CreateDate=2015-08-10, HelpURL=\\cern.ch\dfs\Applications\Altium\Datasheets\OSC_SILICON-LAB_SI510.pdf, LatestRevisionDate=2015-08-10, Mounted=Yes, PackageDescription="Oscillator Si510 Series, 6 pins, 5x7mm", Part Description="2.5V ±25ppm LVDS Crystal Oscillator (XO), Si510 Series", Part Number=OSC_125MHZ_SILICON-LAB_510FBA125M000AAG, Pin Count=6, PressFit=No, Sense=No, SMD=Yes, Socket=No
Q1: library part XTAL_114.285MHZ_CONNOR_CS-023, "Crystal 4 pins 1=XTAL Control 2=GND3=XTAL 4=GND", Manufacturer=CONNOR-WINFIELD, Manufacturer Part Number=CS-023-114.285M, Author="CERN DEM JLC", Bonding=No, ComponentHeight=0.8mm, Component Type=Standard, CreateDate=2014-07-08, HelpURL=\\cern.ch\dfs\Applications\Altium\Datasheets\XTAL_CONNOR_CS-023.pdf, LatestRevisionDate=2014-07-08, Mounted=Yes, PackageDescription="4 Pins, 2.5x3.2mm, SMD Sealing Crystal, CS Series", Part Description="±20ppm 18pF -40°C to +85°C  4 Pins, 3.2x2.5X0.8mm, SMD Crystal Unit, CS-018 Series", Part Number=XTAL_114.285MHZ_CONNOR_CS-023, Pin Count=4, PressFit=No, Sense=No, SMD=Yes, Socket=No
Q2: library part XTAL_12MHZ_TXC_7M-12.000MAAJ-T, "Crystal 4 pins 1=XTAL Control 2=GND3=XTAL 4=GND", Manufacturer="TXC CORPORATION", Manufacturer Part Number=7M-12.000MAAJ-T, Author="CERN DEM JLC", Bonding=No, ComponentHeight=0.8mm, Component Type=Standard, CreateDate=19.06.2012, HelpURL=\\cern.ch\dfs\Applications\Altium\Datasheets\XTAL_TXC_7M.pdf, LatestRevisionDate=19.06.2012, Mounted=Yes, PackageDescription="4 Pins, 2.5x3.2mm, SMD Sealing Crystal, 7M Serie", Part Description="±30ppm 18pF -20°C to +70°C  4 Pins, 3.2x2.5X0.8mm, SMD Sealing Crystal, 7M Series", Part Number=XTAL_12MHZ_TXC_7M-12.000MAAJ-T, Pin Count=4, PressFit=No, Sense=No, SMD=Yes, Socket=No